# Altium PCB EL0258.PcbDoc (continued)
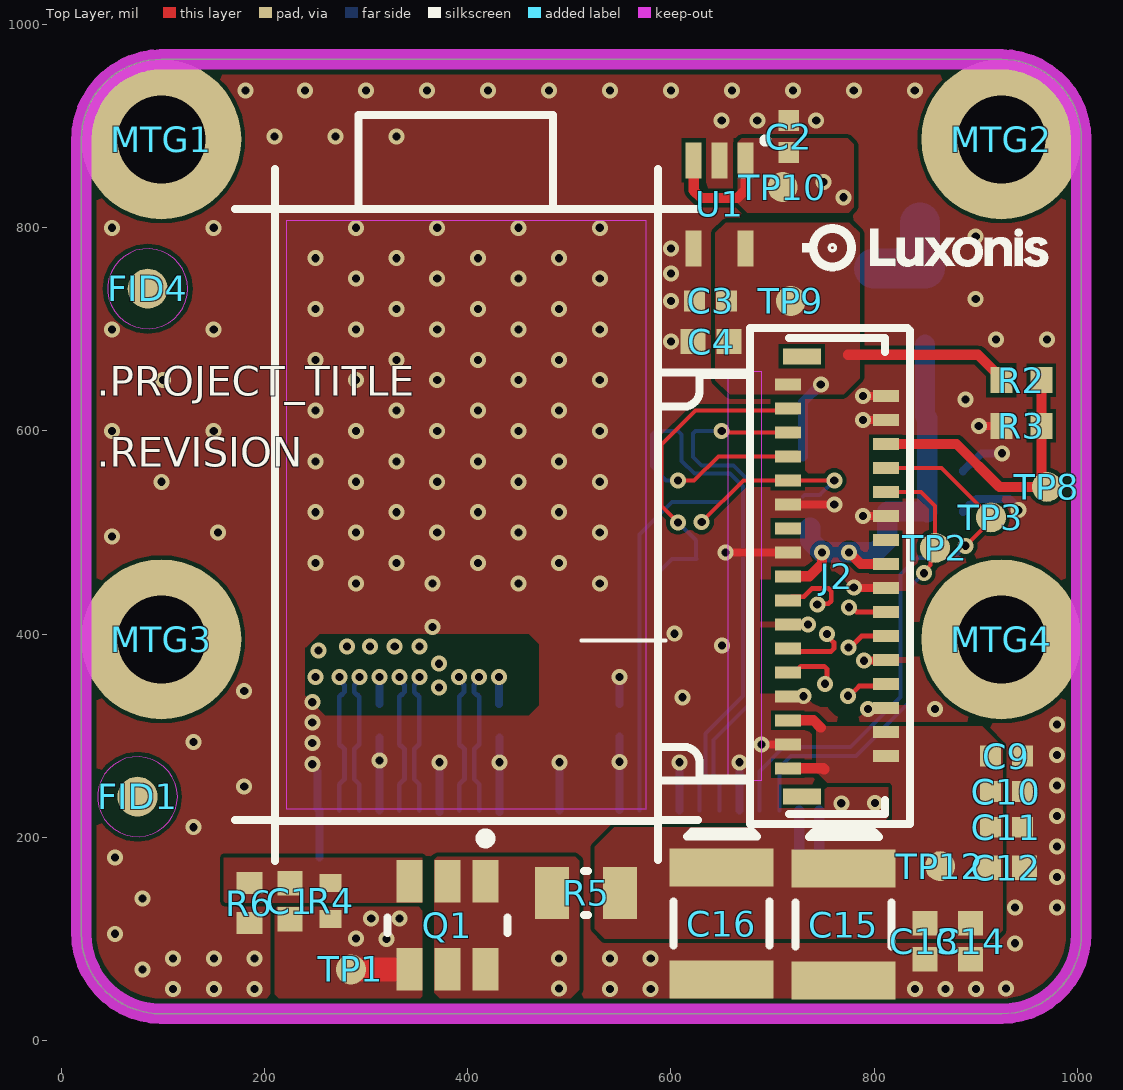
[diagram p0: Top Layer view]
## Part data
C1 C4 C7 C8 C12 C13 C14: library part CMP-108-000015-2, "CAP CER 0.1UF 10V X7R 0402 5%", Case/Package=0402, Dielectric=X7R, Manufacturer 1=Murata, Max Operating Temperature=125°C, Min Operating Temperature=-55°C, Tolerance=5%, Voltage Rating=10V, ComponentLink1Description=https://datasheet.ciiva.com/5411/product-5411135.pdf?src-supplier=Mouser, ComponentLink1URL=https://datasheet.ciiva.com/5411/product-5411135.pdf?src-supplier=Mouser, ComponentLink2Description=https://datasheet.ciiva.com/11618/c02e-11618821.pdf?src-supplier=Avnet, ComponentLink2URL=https://datasheet.ciiva.com/11618/c02e-11618821.pdf?src-supplier=Avnet, Depth=0.5mm, Design Item ID=GRM155R71A104JA01D, Height=0.5mm, Length=1mm, Manufacturer Part Number 1=GRM155R71A104JA01D, Mounting Technology=SMT, Width=0.02inch
C2 C3 C5 C6 C9 C10 C11: library part CMP-004-000009-2, "CAP CER 10UF 6.3V X5R 0402 20%", Case/Package=0402, Dielectric=X5R, Manufacturer 1=Murata, Max Operating Temperature=85°C, Min Operating Temperature=-55°C, Tolerance=20%, Voltage Rating=6.3V, ComponentLink1Description=https://www.murata.com/~/media/webrenewal/support/library/catalog/products/capacitor/mlcc/c02e.ashx?la=en-us&src-supplier=Digi-Key, ComponentLink1URL=https://www.murata.com/~/media/webrenewal/support/library/catalog/products/capacitor/mlcc/c02e.ashx?la=en-us&src-supplier=Digi-Key, Design Item ID=GRM155R60J106ME15D, Length=0.039inch, Manufacturer Part Number 1=GRM155R60J106ME15D, Mounting Technology=SMT, Width=0.02inch
C15 C16: library part CMP-050-000000-3, "Tantalum Capacitor, Polarized, Tantalum (dry/solid), 10V, 20% +Tol, 20% -Tol, 150uF, Surface Mount, 1210", Capacitor Type=Tantalum, Case/Package=1411, Manufacturer 1="Kyocera AVX", Max Operating Temperature=125°C, Min Operating Temperature=-55°C, Voltage Rating=10V, ComponentLink1Description=https://datasheet.ciiva.com:443/pdfs/VipMasterIC/IC/AVXC/AVXC-S-A0008508048/AVXC-S-A0008508048-1.pdf?src-supplier=IHS+Markit, ComponentLink1URL=https://datasheet.ciiva.com:443/pdfs/VipMasterIC/IC/AVXC/AVXC-S-A0008508048/AVXC-S-A0008508048-1.pdf?src-supplier=IHS+Markit, ComponentLink2Description=https://datasheet.ciiva.com/264/tlj-264786.pdf?src-supplier=Digi-Key, ComponentLink2URL=https://datasheet.ciiva.com/264/tlj-264786.pdf?src-supplier=Digi-Key, ComponentLink3Description=https://datasheet.ciiva.com/264/tlj-264787.pdf?src-supplier=Digi-Key, ComponentLink3URL=https://datasheet.ciiva.com/264/tlj-264787.pdf?src-supplier=Digi-Key, ComponentLink4Description=https://datasheet.ciiva.com/264/tlj-264788.pdf?src-supplier=Digi-Key, ComponentLink4URL=https://datasheet.ciiva.com/264/tlj-264788.pdf?src-supplier=Digi-Key, ComponentLink5Description=https://datasheet.ciiva.com/46385/1910903-46385237.pdf?src-supplier=Element14, ComponentLink5URL=https://datasheet.ciiva.com/46385/1910903-46385237.pdf?src-supplier=Element14, ComponentLink6Description=https://datasheet.ciiva.com/28515/tlj-28515528.pdf?src-supplier=Element14, ComponentLink6URL=https://datasheet.ciiva.com/28515/tlj-28515528.pdf?src-supplier=Element14, ComponentLink7Description=https://datasheet.ciiva.com/7773/1533257-7773833.pdf?src-supplier=Element14, ComponentLink7URL=https://datasheet.ciiva.com/7773/1533257-7773833.pdf?src-supplier=Element14, ComponentLink8Description=https://datasheet.ciiva.com/14593/70001364-14593673.pdf?src-supplier=Allied+Electronics, ComponentLink8URL=https://datasheet.ciiva.com/14593/70001364-14593673.pdf?src-supplier=Allied+Electronics, ComponentLink9Description=https://datasheet.ciiva.com/14606/70001364-14606409.pdf?src-supplier=Allied+Electronics, ComponentLink9URL=https://datasheet.ciiva.com/14606/70001364-14606409.pdf?src-supplier=Allied+Electronics, ComponentLink10Description=https://datasheet.ciiva.com/7773/1533257-7773834.pdf?src-supplier=Element14, ComponentLink10URL=https://datasheet.ciiva.com/7773/1533257-7773834.pdf?src-supplier=Element14, ComponentLink11Description=https://datasheet.ciiva.com/11229/tlj-11229389.pdf?src-supplier=Avnet, ComponentLink11URL=https://datasheet.ciiva.com/11229/tlj-11229389.pdf?src-supplier=Avnet, ComponentLink12Description=https://datasheet.ciiva.com/17339/tlj-17339422.pdf?src-supplier=Avnet+Europe, ComponentLink12URL=https://datasheet.ciiva.com/17339/tlj-17339422.pdf?src-supplier=Avnet+Europe, Design Item ID=TLJB157M010R0500, Height=1.9mm, Length=3.5mm, Manufacturer Part Number 1=TLJB157M010R0500, Mounting Technology=SMT, Polarity=Polarized, Width=2.8mm
D1 D2 D3: library part CMP-111-000006-1, "TVS DIODE 3.6V 8.8V 10USON 8.8V (Typ) Clamp 5A (8/20µs) Ipp Tvs Diode Surface Mount 10-USON (2.5x1)", Clamping Voltage=8.8V, Manufacturer 1="Texas Instruments", Max Operating Temperature=125°C, Min Breakdown Voltage=5.5V, Min Operating Temperature=-40°C, Operating Supply Voltage=3.6V, Peak Pulse Current=5A, Peak Pulse Power=17W, Power Line Protection=No, ComponentLink1Description=http://www.ti.com/general/docs/lit/getliterature.tsp?genericPartNumber=TPD4E02B04&amp;&amp;fileType=pdf&src-supplier=Element14, ComponentLink1URL=http://www.ti.com/general/docs/lit/getliterature.tsp?genericPartNumber=TPD4E02B04&amp;&amp;fileType=pdf&src-supplier=Element14, ComponentLink2Description=http://www.ti.com/lit/ds/symlink/tpd4e02b04.pdf?src-supplier=Farnell, ComponentLink2URL=http://www.ti.com/lit/ds/symlink/tpd4e02b04.pdf?src-supplier=Farnell, ComponentLink3Description=http://www.ti.com/lit/ds/symlink/tpd4e02b04.pdf?src-supplier=Newark, ComponentLink3URL=http://www.ti.com/lit/ds/symlink/tpd4e02b04.pdf?src-supplier=Newark, ComponentLink4Description=http://www.ti.com/lit/ds/symlink/tpd4e02b04.pdf?src-supplier=Digi-Key, ComponentLink4URL=http://www.ti.com/lit/ds/symlink/tpd4e02b04.pdf?src-supplier=Digi-Key, Composition=Zener, Design Item ID=TPD4E02B04DQAR, Interface=USB,HDMI, Lead Free="Lead Free", Manufacturer Part Number 1=TPD4E02B04DQAR, Mount="Surface Mount", Number of Bidirectional Channels=4, Number of Channels=4, Number of Pins=10, Packaging="Cut Tape", Pricing 1="1=0.69000, 10=0.60800, 100=0.46650, 500=0.36874, 1000=0.29499 (USD)", REACH SVHC="No SVHC", Reverse Standoff Voltage=3.6V, RoHS=Yes, Source=BW2098POE_1.SCHLIB, Stock 1=25615
FB1: library part CMP-082-000000-2, "FERRITE BEAD, 0.1OHM, 2A, 0805, 600R/100MHz", Case/Package=0805, Current Rating=2A, Manufacturer 1=Fair-Rite, Tolerance=25%, Manufacturer Part Number 1=2508056017Y2
FID1 FID2 FID3 FID4: library part FIDUCIAL, "Fiducial with various available footprints"
J1: library part F32R-1A7H1-11026, "26 Position FFC, FPC Connector Contacts, Bottom 0.020\" (0.50mm) Surface Mount, Right Angle", Current Rating=500mA, Flammability Rating="UL94 V-0", Manufacturer 1="Amphenol ICC (FCI)", Max Operating Temperature=105°C, Min Operating Temperature=-40°C, Supplier Part Number 1=609-F32R-1A7H1-11026CT-ND, Voltage Rating=50V, Category=Connectors, ComponentLink1Description=https://cdn.amphenol-icc.com/media/wysiwyg/files/drawing/f32r-f32j.pdf, ComponentLink1URL=https://cdn.amphenol-icc.com/media/wysiwyg/files/drawing/f32r-f32j.pdf, Contact Material=Bronze, Contact Plating=Tin, Manufacturer Part Number 1=F32R-1A7H1-11026, Mount="Surface Mount", Number of Positions=26, Packaging="Tape and Reel", Pitch=0.02inch, Pricing 1="1=0.77, 10=0.721, 100=0.5529, 500=0.4808 (USD)", RoHS=Yes, Stock 1=1709, Supplier 1=Digi-Key, Termination=Solder
J2: library part CMP-002-00132-2, "FFC/FPC Connector, 33 Contact(s), 1 Row(s), Female, Right Angle, Surface Mount Terminal", Manufacturer 1=Hirose, Manufacturer Part Number 1=FH26W-33S-0.3SHW(60), Category="FFC / FPC", ComponentLink1Description=https://datasheet.ciiva.com:443/pdfs/VipMasterIC/IC/HIRO/HIRO-S-A0007913874/HIRO-S-A0008593114-1.pdf?src-supplier=IHS+Markit, ComponentLink1URL=https://datasheet.ciiva.com:443/pdfs/VipMasterIC/IC/HIRO/HIRO-S-A0007913874/HIRO-S-A0008593114-1.pdf?src-supplier=IHS+Markit, ComponentLink2Description=https://www.hirose.com/product/en/download_file/key_name/FH26/category/Catalog/doc_file_id/49355/?file_category_id=4&item_id=298&is_series=1&src-supplier=Digi-Key, ComponentLink2URL=https://www.hirose.com/product/en/download_file/key_name/FH26/category/Catalog/doc_file_id/49355/?file_category_id=4&item_id=298&is_series=1&src-supplier=Digi-Key, ComponentLink3Description=https://www.hirose.com/product/download/?distributor=digikey&amp;type=2d&amp;lang=en&amp;num=FH26W-13S-0.3SHW(60)&src-supplier=Digi-Key, ComponentLink3URL=https://www.hirose.com/product/download/?distributor=digikey&amp;type=2d&amp;lang=en&amp;num=FH26W-13S-0.3SHW(60)&src-supplier=Digi-Key, Design Item ID=AC_PY004-IMX378_CON, Pins=33, Pricing 1="1=1,78000, 10=1,61700, 25=1,51800, 50=1,45200, 100=1,38600, 250=1,25400, 500=1,15500, 1000=0,99000, 2500=0,92400 (USD)", RoHS=Yes, Source=LuxonisMaster.SchLib, Stock 1=627
MTG1 MTG2 MTG3 MTG4: library part MP_Mounting-Holes, "=CurrentFootprint", B - Value="Not a Part", A - Level=0
Q1: library part CMP-016-000020-2, "MOSFET P-CH 20V 6.9A 6TSOP", Case/Package=TSOP, Continuous Drain Current=6.9A, Manufacturer 1=Infineon, Max Drain to Source Voltage=-20V, Design Item ID=IRLTS2242TRPBF, Manufacturer Part Number 1=IRLTS2242TRPBF
R1 R2 R3 R6: library part CMP-115-000004-6, "RES SMD 10K OHM 1% 0402 1/16W Chip Resistor, 0402 [1005 Metric], 10 kohm, RC Series, 50 V, Thick Film, 62.5 mW", Case/Package=0402, Manufacturer 1=Yageo, Max Operating Temperature=155°C, Min Operating Temperature=-55°C, Power Rating=62.5mW, Temperature Coefficient=100ppm/°C, Tolerance=1%, Voltage Rating=50V, Design Item ID=RC0402FR-1310KL, Manufacturer Part Number 1=RC0402FR-1310KL
R4: library part CMP-009-00316-1, "RES SMD 100K OHM 1% 1/16W 0402", Case Code (Metric)=1005, Case/Package=0402, Manufacturer 1=Yageo, Max Operating Temperature=155°C, Max Power Dissipation=63mW, Min Operating Temperature=-55°C, Package Quantity=1, Temperature Coefficient=100ppm/°C, Tolerance=1%, Voltage Rating=50V, ComponentLink1Description=https://datasheet.ciiva.com/11819/0900766b80c66297-11819452.pdf?src-supplier=RSComponents, ComponentLink1URL=https://datasheet.ciiva.com/11819/0900766b80c66297-11819452.pdf?src-supplier=RSComponents, ComponentLink2Description=https://datasheet.ciiva.com/2453/pyu-r-int-thick-7-2453361.pdf?src-supplier=Digi-Key, ComponentLink2URL=https://datasheet.ciiva.com/2453/pyu-r-int-thick-7-2453361.pdf?src-supplier=Digi-Key, ComponentLink3Description=https://datasheet.ciiva.com/2453/pyu-r-int-thick-7-2453362.pdf?src-supplier=Digi-Key, ComponentLink3URL=https://datasheet.ciiva.com/2453/pyu-r-int-thick-7-2453362.pdf?src-supplier=Digi-Key, ComponentLink4Description=https://datasheet.ciiva.com/2453/pyu-r-int-thick-7-2453363.pdf?src-supplier=Digi-Key, ComponentLink4URL=https://datasheet.ciiva.com/2453/pyu-r-int-thick-7-2453363.pdf?src-supplier=Digi-Key, ComponentLink5Description=https://datasheet.ciiva.com/22747/1018594-22747509.pdf?src-supplier=Element14, ComponentLink5URL=https://datasheet.ciiva.com/22747/1018594-22747509.pdf?src-supplier=Element14, ComponentLink6Description=https://datasheet.ciiva.com/15189/getdatasheetpartid-323696-15189334.pdf?src-supplier=Verical, ComponentLink6URL=https://datasheet.ciiva.com/15189/getdatasheetpartid-323696-15189334.pdf?src-supplier=Verical, ComponentLink7Description=https://datasheet.ciiva.com/12667/pyu-rc0402-51-rohs-l-6-r-12667930.pdf?src-supplier=Mouser, ComponentLink7URL=https://datasheet.ciiva.com/12667/pyu-rc0402-51-rohs-l-6-r-12667930.pdf?src-supplier=Mouser, Composition="Thick Film", Depth=0.5mm, Design Item ID=RC0402FR-07100KL, Features="Moisture Resistant", Height=0.016inch, Lead Free="Lead Free", Length=0.039inch, Manufacturer Part Number 1=RC0402FR-07100KL, Military Standard=Not, Number of Terminations=2, Packaging="Tape and Reel", Power Rating=63mW, Pricing 1="1=0.10000, 10=0.01500, 100=0.00600, 1000=0.00270, 2500=0.00235, 5000=0.00194 (USD)", REACH SVHC="No SVHC", RoHS=Yes, Source=LuxonisMaster.SchLib, Stock 1=50867324, Termination=SMD/SMT, Width=0.02inch, Working Voltage=50V
R5: library part CMP-013-000034-8, "RES SMD 0.0R OHM 1% 1/8W 0805", Case/Package=0805, Manufacturer 1=Vishay, Max Operating Temperature=155°C, Min Operating Temperature=-55°C, Power Rating=125mW, Design Item ID=CRCW08050000Z0EA, Manufacturer Part Number 1=CRCW08050000Z0EA
TP1 TP2 TP3 TP4 TP5 TP6 TP7 TP8 TP9 TP10 TP11 TP12: library part CMP-015-000000-2, Manufacturer Part Number 1=/, Design Item ID=TEST_POINT, Source=LuxonisMaster.SchLib
U1: library part CMP-031-00024-1, "IC REG LINEAR 1.8V 200MA SC70-5 Linear Voltage Regulator IC  1 Output  200mA SC-70-5", Case/Package=SC, Dropout Voltage=175mV, Manufacturer 1="Texas Instruments", Manufacturer Part Number 1=TLV70018DCKR, Manufacturer Part Number 2=TLV70018DCKT, Max Operating Temperature=125°C, Max Output Current=200mA, Max Output Voltage=1.8V, Max Power Dissipation=320mW, Max Supply Voltage=5.5V, Min Current Limit=220mA, Min Operating Temperature=-40°C, Min Supply Voltage=2V, Nominal Supply Current=31uA, Output Voltage Accuracy=2%, Package Quantity=1, Quiescent Current=30uA, Accuracy=2%, ComponentLink1Description=https://datasheet.ciiva.com/41462/001014631-da-01-en-ic-reg-ldo-1-8v-0-tlv70018dckr-sot-5-tid-41462480.pdf?src-supplier=Conrad, ComponentLink1URL=https://datasheet.ciiva.com/41462/001014631-da-01-en-ic-reg-ldo-1-8v-0-tlv70018dckr-sot-5-tid-41462480.pdf?src-supplier=Conrad, ComponentLink2Description=https://datasheet.ciiva.com/22700/1882059-22700171.pdf?src-supplier=Element14, ComponentLink2URL=https://datasheet.ciiva.com/22700/1882059-22700171.pdf?src-supplier=Element14, ComponentLink3Description=https://datasheet.ciiva.com/14149/tlv700-eng-ds-14149837.pdf?src-supplier=Distrelec, ComponentLink3URL=https://datasheet.ciiva.com/14149/tlv700-eng-ds-14149837.pdf?src-supplier=Distrelec, ComponentLink4Description=https://datasheet.ciiva.com/7992/1882059-7992894.pdf?src-supplier=Element14, ComponentLink4URL=https://datasheet.ciiva.com/7992/1882059-7992894.pdf?src-supplier=Element14, Contact Plating=Gold, Design Item ID=TLV70018DCK, Height=1mm, Lead Free="Lead Free", Length=2.15mm, Manufacturer 2="Texas Instruments", Min Output Voltage=1.8V, Nominal Output Voltage=1.8V, Number of Outputs=1, Number of Regulators=1, Output Current=200mA, Output Type=Fixed, Output Voltage=1.8V, Packaging="Tape and Reel", Pins=5, Polarity=Positive, Power Dissipation=320mW, Power Rating=320mW, Pricing 1="1=0.48000, 10=0.40900, 100=0.30570, 500=0.24020, 1000=0.18561 (USD)", Pricing 2="1=0.55000, 10=0.46700, 100=0.34900 (USD)", Radiation Hardening=No, REACH SVHC="No SVHC", RoHS=Yes, Source=LuxonisMaster.SchLib, Stock 1=63905, Stock 2=13188, Width=1.4mm

## Via types
v1: diameter 15.75, hole 8, Top Layer to Bottom Layer, tented both sides, 201 vias

## Nets (pads, with @x,y where several pads share a name; then routed paths per layer and width w, separated by ;. In a path a pad name is that pad's centre, name@x,y a point inside that pad or via, vN(x,y) a via of type N, cw(c..) or ccw(c..) an arc to the next point about the centre after c; other vN are vias at no path point)
1V8: C3.2 C4.2 J2.1 R1.1 R2.1 TP9.1 U1.5 | length 240.6
  Top Layer w10: 774.47,675 902.28,675 919.49,657.8 925.31,651.97 R2.1
  Bottom Layer w10: R1.1 730,628.42 v1(747.48,645.9)
3V3: C2.2 FB1.1 Q1.1 Q1.2 Q1.5 Q1.6 R5.1 TP10.1 U1.1 U1.3 | length 1740.7
  Top Layer w10: U1.3 622.41,836.54 629.54,829.41 665.56,829.41 673.59,837.43 U1.1
  Int2 (Sign) w20: v1@489.9,80 489.9,51.44 v1(490,51.34) ; v1(490,80.9) 490.1,81 490.1,109.9 420,180 280,180 212.4,247.6 212.4,802.4 255,845 v1(750,845) v1(770,830)
  Bottom Layer w39.37: 800,760 FB1.1@849.8,760 ; 845,805 845,764.8 FB1.1@849.8,760 ; FB1.1 FB1.1@849.8,760
3V3_G: C1.1 Q1.3 R4.1 R6.2
3V3_IN: C1.2 J1.1 J1.2 Q1.4 R4.2 TP1.1 | length 174.1
  Top Layer w23.62: TP1.1 Q1.4
  Bottom Layer w10: 726.38,165.57 J1.2 ; 746.06,171.06 J1.1
  other v1: 290,100.59 320,100 305,120 332.68,120
3V3_TOF: C5.2 C6.2 C7.2 C8.2 FB1.2 J2.16 J2.17 TP11.1 | length 423.8
  Top Layer w10: J2.17 736.48,456.93 748.58,469.03 v1(748.58,480.55) ; v1(775.2,480.55) 786.71,469.03 J2.16
  Bottom Layer w20: C6.2 737.01,504.76 737.01,492.12 v1(748.58,480.55) v1(775.2,480.55) 801.19,480.55 813,492.36 C5.2 851.5,520.79 C8.2 C7.2 852.28,612.72 TP11.1 FB1.2
3V3_VCSEL: C9.2 C10.2 C11.2 C12.2 C13.2 C14.2 C15.1 C16.1 J2.29 J2.30 J2.32 J2.33 R5.2 TP12.1 | length 71.8
  Top Layer w10: J2.33 750.02,267.95 750.97,267 ; J2.29 740.29,315.19 747.48,308
CAM_CLK: D3.5 D3.6 J1.9 J2.3 TP6.1 | length 542.4
  Top Layer w4.02: v1(607,510) 590.76,526.24 590.76,586.59 624.17,620 712.72,620 J2.3
  Bottom Layer w4.02: J1.9 D3.6 D3.5 588.58,461.58 601,474 TP6.1 624.57,474.43 624.57,492.43 v1(607,510)
CAM_RST: D3.4 D3.7 J1.10 J2.9 R1.2 TP7.1 | length 578.5
  Top Layer w4.02: v1(630.29,510.29) 671.41,551.41 J2.9 v1(760.79,551.41)
  Bottom Layer w4.02: J1.10 D3.7 568.9,497.9 601,530 TP7.1 v1(630.29,510.29) ; R1.2 731.54,537.09 746.47,537.09 v1(760.79,551.41)
FSIN: J1.4 J2.8 TP3.1 | length 566
  Top Layer w4: J2.8 866.48,563.52 TP3.1 915,512 v1(890,487)
  Bottom Layer w4: J1.4 687.01,265.01 711,289 776.78,289 826,338.22 826,458.75 842.44,475.19 878.19,475.19 v1(890,487)
GND: C2.1 C3.1 C4.1 C5.1 C6.1 C7.1 C8.1 C9.1 C10.1 C11.1 C12.1 C13.1 C14.1 C15.2 C16.2 D1.3 D1.8 D2.3 D2.8 D3.3 D3.8 J1.5 J1.8 J1.11 J1.14 J1.17 J1.20 J1.23 J1.26 J1.MP1 J1.MP2 J2.2 J2.4 J2.11 J2.12 J2.15 J2.18 J2.21 J2.24 J2.27 J2.28 J2.31 R3.1 R6.1 U1.2 U1.4 | length 1116.5
  Top Layer w7.87: v1(653.72,480.55) J2.15 ; v1(689.28,291.57) J2.31 ; J2.27 J2.27 730.6,338.88 v1(730.66,338.94) ; J2.21 v1(735,409.64) ; J2.11 v1(760.79,527.79) ; v1(780,445.95) 780.27,445.68 811.19,445.68 J2.18 ; v1(789.14,516.27) J2.12 ; v1(789.14,610.76) J2.4 ; v1(789.14,634.38) J2.2 ; v1(789.95,373.85) 790.3,374.2 811.11,374.2 J2.24 ; v1(793.89,326.33) 794.38,326.81 810.97,326.81 J2.28 ; v1(903,605) R3.1
  Int2 (Sign) w7.87: 705.85,398 723.29,398 734.93,409.64 v1(735,409.64) ; 706,421 721.44,421 732.8,409.64 v1(735,409.64) ; 710.32,409.68 734.96,409.68 v1(735,409.64)
  Bottom Layer w7.87: v1(247,272) 247,269.87 251.97,264.9 251.97,228.54 J1.26 253.94,180.08 ; J1.23 v1(312.99,275.48) D1.8 ; D1.3 v1(312.99,357.85) ; J1.20@372.05,225 v1(372.05,273.9) ; D2.3@430.69,331.4 v1(430.69,357.85) ; J1.17@431.1,225 J1.17 v1(431.1,273.9) D2.8 ; J1.14 v1(490.16,273.9) ; J1.11@549.21,227.09 v1(549.21,274.41) D3.8@549.21,299.03 ; D3.3 v1(549.21,357.85) ; J1.8 v1(608.27,273.9) ; J1.5 v1(667.32,273.9) ; C8.1 887.72,520.98 893.62,526.89 894.61,526.89 900.69,532.98 933.32,532.98 940.45,525.86 940.45,523.55 v1(942,522) ; C7.1 887.72,560.98 893.62,566.89 894.61,566.89 905.72,578 v1(926,578)
  other v1: 110.1,50.9 150.1,50.9 190.1,50.9 540.1,50.9 580.1,50.9 840.1,50.9 870.1,50.9 900.1,50.9 929.65,51.41 80,70 110.1,80.9 150.1,80.9 190.1,80.9 540.1,80.9 580.1,80.9 938.79,95.74 52.91,105.08 938.79,130.9 980.1,130.9 80,140 980.1,160.9 52.91,180 980.1,190.9 130,210 980.1,220.9 767.7,233.53 801,234 180,250 980.1,250.9 980.1,280.9 247,293 130,293.94 980.1,310.9 247,312.88 860,326.4 247,333 611.3,337.86 180,343.94 371.84,347.58 250,357.85 371.84,370.89 253,384 281,388 303.75,388 328.13,388 352.36,388 650.32,388.76 603.5,400.45 365.32,407.22 290,450 365.32,450 450,450 530,450 250,470 330,470 410,470 490,470 50,496.06 154.1,500 290,500 370,500 450,500 530,500 250,520 330,520 410,520 490,520 98.43,550 290,550 370,550 450,550 530,550 250,570 330,570 410,570 490,570 50,600 150,600 290,600 370,600 450,600 530,600 250,620 330,620 410,620 490,620 890.1,630.9 100,650 290,650 370,650 450,650 530,650 250,670 330,670 410,670 490,670 600,688 920,690 970,690 50,700 150,700 290,700 370,700 450,700 530,700 250,720 330,720 410,720 490,720 600,728 900,730 290,750 370,750 450,750 530,750 600,755 250,770 330,770 410,770 490,770 600,779.69 900,791.24 50,800 150,800 290,800 370,800 450,800 530,800 210,890 270,890 330,890 650,905.75 685,905.75 743,905.75 181.1,935 240,935 300,935 360,935 420,935 480,935 540,935 600,935 660,935 720,935 780,935 840,935
I2C_SCL: J1.7 J2.7 TP5.1 | length 645.8
  Top Layer w4: v1(607,551.41) 607.16,551.26 622.87,551.26 646.65,575.04 J2.7
  Bottom Layer w4: v1(607,551.41) 595.31,551.41 581.28,565.44 581.28,596.28 TP5.1 607,600 610.6,596.4 610.6,570.48 623.08,558 658.22,558 670.94,545.28 670.94,338.94 634,302 634,258.21 627.95,252.17 J1.7
I2C_SDA: J1.6 J2.5 TP4.1 | length 525.2
  Top Layer w4: v1(650,600) 651.34,598.66 J2.5
  Bottom Layer w4: J1.6 647.64,252.17 641.94,257.87 641.94,295.94 678.87,332.87 678.87,548.57 661.5,565.94 630.29,565.94 621.94,574.29 621.94,597.66 624.28,600 v1(650,600)
MIPI_C_N: D2.1 D2.10 J1.19 J2.20 | length 859.4
  Top Layer w4.78: v1(775.2,426.45) 778.17,426.45 782.83,421.79 J2.20
  Int2 (Sign) w2.47: v1(391.32,357.85) 391.32,359.83 397.42,365.94 397.42,423.99 406.91,433.47 432.09,433.47 441.35,424.22 441.35,407.22 446.74,401.83 470.01,401.83 477,408.82 477,428.12 486.91,438.02 508.54,438.02 519.47,427.09 519.47,405.94 523.58,401.83 546.77,401.83 558,413.06 558,474.56 567.91,484.47 606.59,484.47 616.82,474.24 616.82,433.74 626.09,424.47 650.32,424.47 678.32,452.47 752.53,452.47 763.35,441.65 763.35,429.24 764.8,427.8 773.85,427.8 v1(775.2,426.45)
  Bottom Layer w4.78: J1.19 391.73,252.17 396.69,257.12 396.69,267.97 396.69,286.99 393.89,289.79 393.28,289.79 391.73,291.34 D2.10 D2.1 391.73,338.58 393.28,340.13 393.47,340.13 396.27,342.93 396.27,349.93 391.32,354.88 v1(391.32,357.85) 394.12,357.85 v1@396.27,355.7
MIPI_C_P: D2.2 D2.9 J1.18 J2.19 | length 865.8
  Top Layer w4.78: J2.19 718.52,436.82 730.82,436.82 739,445 755.01,445 757.81,442.2 757.81,432.68 755.01,429.88 744.77,429.88 v1(744.03,429.14)
  Int2 (Sign) w2.47: v1(411,357.85) 411,359.83 404.89,365.94 404.89,420.89 410,426 429,426 433.88,421.12 433.88,404.12 443.64,394.36 473.1,394.36 484.47,405.72 484.47,425.02 490,430.55 505.45,430.55 512,424 512,402.85 520.49,394.36 549.86,394.36 565.47,409.96 565.47,471.47 571,477 603.5,477 609.35,471.15 609.35,430.65 623,417 653.41,417 681.41,445 749.44,445 755.88,438.56 755.88,429.24 754.43,427.8 745.38,427.8 v1(744.03,429.14)
  Bottom Layer w4.78: v1@410.27,357.85 v1(411,357.85) 411,354.88 406.05,349.93 406.05,342.93 408.84,340.13 409.87,340.13 411.42,338.58 D2.2 D2.9 411.42,291.34 409.87,289.79 409.26,289.79 406.46,286.99 406.46,272.01 406.46,257.12 411.42,252.17 J1.18
MIPI_D0_N: D1.1 D1.10 J1.25 J2.26 | length 862.3
  Top Layer w4.78: v1(774.39,339.36) 775.63,339.36 785.2,348.92 809.46,348.92 J2.26
  Int2 (Sign) w2.47: v1(273.62,357.85) 273.62,355.87 279.73,349.77 279.73,329.66 279.73,257.71 303.91,233.53 718.09,233.53 756,271.44 756,320.96 758.64,323.6 v1(774.39,339.36)
  Bottom Layer w4.78: J1.25 273.62,252.17 278.58,257.12 278.58,267.97 278.58,286.99 275.78,289.79 275.17,289.79 273.62,291.34 D1.10 D1.1 273.62,338.58 275.17,340.13 275.78,340.13 278.58,342.93 278.58,349.93 273.62,354.88 v1(273.62,357.85)
MIPI_D0_P: D1.2 D1.9 J1.24 J2.25 | length 865.4
  Top Layer w4.78: J2.25 721.89,362.44 727.8,368.34 750.87,368.34 753.66,365.55 753.66,353.01 v1(751.83,351.17)
  Int2 (Sign) w2.47: v1(293.31,357.85) 293.31,355.87 287.2,349.77 287.2,326.57 287.2,260.8 307,241 715,241 748.53,274.53 748.53,324.06 756,331.53 760,335.53 760,343 v1(751.83,351.17)
  Bottom Layer w4.78: J1.24 293.31,252.17 288.35,257.12 288.35,272.01 288.35,286.99 291.15,289.79 291.76,289.79 293.31,291.34 D1.9 D1.2 293.31,338.58 291.76,340.13 291.15,340.13 288.35,342.93 288.35,349.93 293.31,354.88 v1(293.31,357.85)
MIPI_D1_N: D1.4 D1.7 J1.22 J2.22 | length 860.4
  Top Layer w4.78: v1(774.61,386.88) 776.45,386.88 787.73,398.16 J2.22
  Int2 (Sign) w2.47: v1(332.68,357.85) 332.68,355.87 338.79,349.77 338.79,347.58 338.78,319.22 356,302 456.78,302 468.47,313.69 468.47,356 477.47,365 502,365 512,355 512,311 522,301 573,301 586.47,314.47 586.47,359.47 593,366 618.81,366 654.42,330.39 676.39,330.39 716,370 750.23,370 758.91,378.68 762.3,382.08 765.14,384.91 772.65,384.91 v1(774.61,386.88)
  Bottom Layer w4.78: J1.22 332.68,252.17 337.63,257.12 337.63,286.99 334.84,289.79 334.23,289.79 332.68,291.34 D1.7 D1.4 332.68,338.58 334.23,340.13 334.84,340.13 337.63,342.93 337.63,349.93 332.68,354.88 v1(332.68,357.85)
MIPI_D1_P: D1.5 D1.6 J1.21 J2.23 | length 864.1
  Top Layer w4.78: J2.23 718.06,383 757.62,383 760.41,385.8 760.41,391.72 753.66,398.47 v1(753.66,400)
  Int2 (Sign) w2.47: v1(352.36,357.85) 352.36,355.87 346.26,349.77 346.26,344.49 346.25,322.31 359.09,309.47 453.69,309.47 461,316.78 461,359.09 474.38,372.47 505.09,372.47 519.47,358.09 519.47,314.09 525.09,308.47 569.91,308.47 579,317.56 579,362.56 589.91,373.47 621.91,373.47 657.51,337.86 673.3,337.86 712.91,377.47 747.13,377.47 749.78,380.11 756,386.34 756,397.66 v1(753.66,400)
  Bottom Layer w4.78: J1.21 352.36,252.17 347.41,257.12 347.41,286.99 350.2,289.79 350.81,289.79 352.36,291.34 D1.6 D1.5 352.36,338.58 350.81,340.13 350.2,340.13 347.41,342.93 347.41,349.93 352.36,354.88 v1(352.36,357.85)
SLASEL: J2.6 R2.2 R3.2 TP8.1 | length 283.2
  Top Layer w10: J2.6 881.16,587.14 923.3,545 TP8.1 970,550.28 964.69,555.6 R2.2
STROBE: J1.3 J2.10 TP2.1 | length 454.7
  Top Layer w4: J2.10 846.15,539.9 860,526.04 TP2.1 855.42,480.42 855.42,468.22 849,461.8 v1(849,460)
  Bottom Layer w4: J1.3 706.69,268.69 718,280 782,280 835,333 835,446 v1(849,460)
pads on no net: D2.4 D2.5 D2.6 D2.7 D3.1 D3.2 D3.9 D3.10 FID1.1 FID2.1 FID3.1 FID4.1 J1.12 J1.13 J1.15 J1.16 J2.0 J2.13 J2.14 MTG1.1 MTG2.1 MTG3.1 MTG4.1

## Polygon pours and split planes (outlines as drawn)
3V3 on Bottom Layer "3V3_L06_P000" (solid, pour order 0): 797.5,882.5 732.5,882.5 725,875 725,750 735,740 810,740 810,795 813.26,798.26 855,798.26 855,825
3V3_IN on Bottom Layer "3V3_IN_L06_P005" (solid, pour order 5): 248.03,120 248.03,46.97 255,40 750,40 770,60 770,170 760,180 705.79,180 655.79,130 255,130
GND on Bottom Layer "¸" (solid, remove dead copper, pour order 12): 19.68,105.08 ccw(c98.43,105.08) 98.43,26.34 925.2,26.34 ccw(c925.2,105.08) 1003.94,105.08 1003.94,886.81 1003.94,887.05 ccw(c925.2,887.05) 925.2,965.79 98.43,965.79 ccw(c98.43,887.05) 19.68,887.05
GND on Int2 (Sign) "¸" (solid, remove dead copper, pour order 2): 19.68,105.08 ccw(c98.43,105.08) 98.43,26.34 925.2,26.34 ccw(c925.2,105.08) 1003.94,105.08 1003.94,886.81 1003.94,887.05 ccw(c925.2,887.05) 925.2,965.79 98.43,965.79 ccw(c98.43,887.05) 19.68,887.05
GND on Int3 (Sign) "¸" (solid, remove dead copper, pour order 3): 19.68,105.08 ccw(c98.43,105.08) 98.43,26.34 925.2,26.34 ccw(c925.2,105.08) 1003.94,105.08 1003.94,886.81 1003.94,887.05 ccw(c925.2,887.05) 925.2,965.79 98.43,965.79 ccw(c98.43,887.05) 19.68,887.05
3V3 on Top Layer "3V3_L01_P001" (solid, pour order 1): 774.09,887.96 669.65,887.96 665.72,884.02 665.72,824.32 675.04,815 775,815 780,820 780,882.05
1V8 on Top Layer "1V8_L01_P006" (solid, pour order 6): 654,805 643.87,794.87 643.87,649.85 657.66,636.06 770.11,636.06 785.85,651.81 785.85,794.88 775.74,805
3V3_VCSEL on Top Layer "3V3_VCSEL_L01_P007" (solid, pour order 7): 754,253.57 815.43,253.57 818,251 818,218 810,210 544.44,210 525,190.56 525,110 535,100 918.02,100 926.38,108.37 926.38,289.4 906.21,309.58 744.58,309.58 743,308 743,264.57
3V3 on Top Layer "3V3_L01_P008" (solid, pour order 8): 367.2,178 370.2,181 506,181 510,177 510,50 500,40 374.13,40 367.2,46.93
3V3_G on Top Layer "3V3_G_L01_P009" (solid, pour order 9): 355.06,180 355.06,135.75 161.41,135.75 160,137.16 160,180
3V3_IN on Top Layer "3V3_IN_L01_P010" (solid, pour order 10): 351.59,131.49 355.39,127.68 355.39,43.86 353.17,41.63 214.17,41.63 210,45.81 210,128.76 212.73,131.49
GND on Top Layer "¸" (solid, remove dead copper, pour order 11): 19.68,105.08 ccw(c98.43,105.08) 98.43,26.34 925.2,26.34 ccw(c925.2,105.08) 1003.94,105.08 1003.94,886.81 1003.94,887.05 ccw(c925.2,887.05) 925.2,965.79 98.43,965.79 ccw(c98.43,887.05) 19.68,887.05
GND on Int4 (PWR) (split plane): 98.43,945.69 925.2,945.69 925.77,945.75 931.77,945.41 938.27,944.31 944.59,942.48 950.68,939.96 956.44,936.78 961.82,932.97 966.73,928.58 971.12,923.67 974.93,918.29 978.11,912.53 980.63,906.45 982.46,900.12 983.56,893.62 983.9,887.63 983.84,887.06 983.84,886.83 983.84,886.82 983.84,886.81 983.84,105.08 983.9,104.5 983.56,98.5 982.46,92.01 980.63,85.68 978.11,79.59 974.93,73.83 971.12,68.46 966.73,63.55 961.82,59.16 956.44,55.35 950.68,52.16 944.59,49.64 938.27,47.82 931.77,46.71 925.77,46.38 925.2,46.43 98.43,46.44 97.85,46.38 91.85,46.72 85.36,47.82 79.03,49.64 72.94,52.16 67.18,55.35 61.81,59.16 56.89,63.55 52.51,68.46 48.69,73.83 45.51,79.6 42.99,85.68 41.16,92.01 40.06,98.5 39.72,104.5 39.78,105.08 39.78,887.05 39.72,887.62 40.06,893.62 41.17,900.12 42.99,906.45 45.51,912.53 48.69,918.3 52.51,923.67 56.89,928.58 61.81,932.97 67.18,936.78 72.94,939.96 79.03,942.48 85.36,944.31 91.85,945.41 97.85,945.75
GND on Int1 (GND) (split plane): 98.43,945.69 925.2,945.69 925.77,945.75 931.77,945.41 938.27,944.31 944.59,942.48 950.68,939.96 956.44,936.78 961.82,932.97 966.73,928.58 971.12,923.67 974.93,918.29 978.11,912.53 980.63,906.45 982.46,900.12 983.56,893.62 983.9,887.63 983.84,887.06 983.84,886.83 983.84,886.82 983.84,886.81 983.84,105.08 983.9,104.5 983.56,98.5 982.46,92.01 980.63,85.68 978.11,79.59 974.93,73.83 971.12,68.46 966.73,63.55 961.82,59.16 956.44,55.35 950.68,52.16 944.59,49.64 938.27,47.82 931.77,46.71 925.77,46.38 925.2,46.43 98.43,46.44 97.85,46.38 91.85,46.72 85.36,47.82 79.03,49.64 72.94,52.16 67.18,55.35 61.81,59.16 56.89,63.55 52.51,68.46 48.69,73.83 45.51,79.6 42.99,85.68 41.16,92.01 40.06,98.5 39.72,104.5 39.78,105.08 39.78,887.05 39.72,887.62 40.06,893.62 41.17,900.12 42.99,906.45 45.51,912.53 48.69,918.3 52.51,923.67 56.89,928.58 61.81,932.97 67.18,936.78 72.94,939.96 79.03,942.48 85.36,944.31 91.85,945.41 97.85,945.75

## Keep-outs
Keep-Out Layer:
  lines w20: 1003.94,886.81 1003.94,105.08 cw(c925.2,105.08) 925.2,26.34 98.43,26.34 cw(c98.43,105.08) 19.68,105.08 19.69,887.05 cw(c98.43,887.05) 98.43,965.79 925.2,965.79 cw(c925.2,887.05) 1003.94,887.05

## Other copper
Top Layer:
  pour cut-out: 254.23,400 241.01,386.78 240,386.78 240,340 260,320 460,320 470,330 470,390 460,400

## Silkscreen, mask and mechanical layers (free items; w line width, h text height)
Top Overlay:
  drawing of 11 lines, arcs and shapes, not listed
  text ".PROJECT_TITLE" at 35,625 h50
  text ".REVISION" at 35,555 h50
Bottom Overlay:
  drawing of 12 lines, arcs and shapes, not listed
  text ".REVISION" at 36.57,769.74 h50 r180
  text ".PROJECT_TITLE" at 36.57,728.41 h50 r180
  text "RoHS" at 58,659 h55.12 r180
  text "Pb" at 72.16,574.22 h80 r180
Top Solder:
  rectangle: 220,410 580,810
  rectangle: 480,300 580,420
  rectangle: 220,280 230,420
  rectangle: 220,225 580,310
Bottom Solder:
  rectangle: 230,395 560,800
Board:
  lines w0.98: 98.43,965.79 925.2,965.79
  lines w1: 98.43,965.79 ccw(c98.43,887.05) 19.68,887.05 19.69,105.08 ccw(c98.43,105.08) 98.43,26.34 925.2,26.34 ccw(c925.2,105.08) 1003.94,105.08 1003.94,886.81 ; 925.2,965.79 cw(c925.2,887.05) 1003.94,887.05
DXF_0209:
  drawing of 9116 lines, arcs and shapes, not listed

## Text inside footprints (layer, text, board x,y; h text height)
J1: Bottom Overlay "1" at 760,285 h60; Bottom Overlay "26" at 215,282.75 h60